# Altium PCB Audio-Streamer-Mainboard.PcbDoc (part 3 of 7)
Units mm, origin at the board's own origin, x right, y up, seen from the top; angles counter-clockwise.
Board outline 180 x 270 mm, 4 copper layers (Top Layer, VCC, GND, Bottom Layer), stack 1.62 mm thick; 653 components, 499 nets, 2423 pads, 1617 vias.
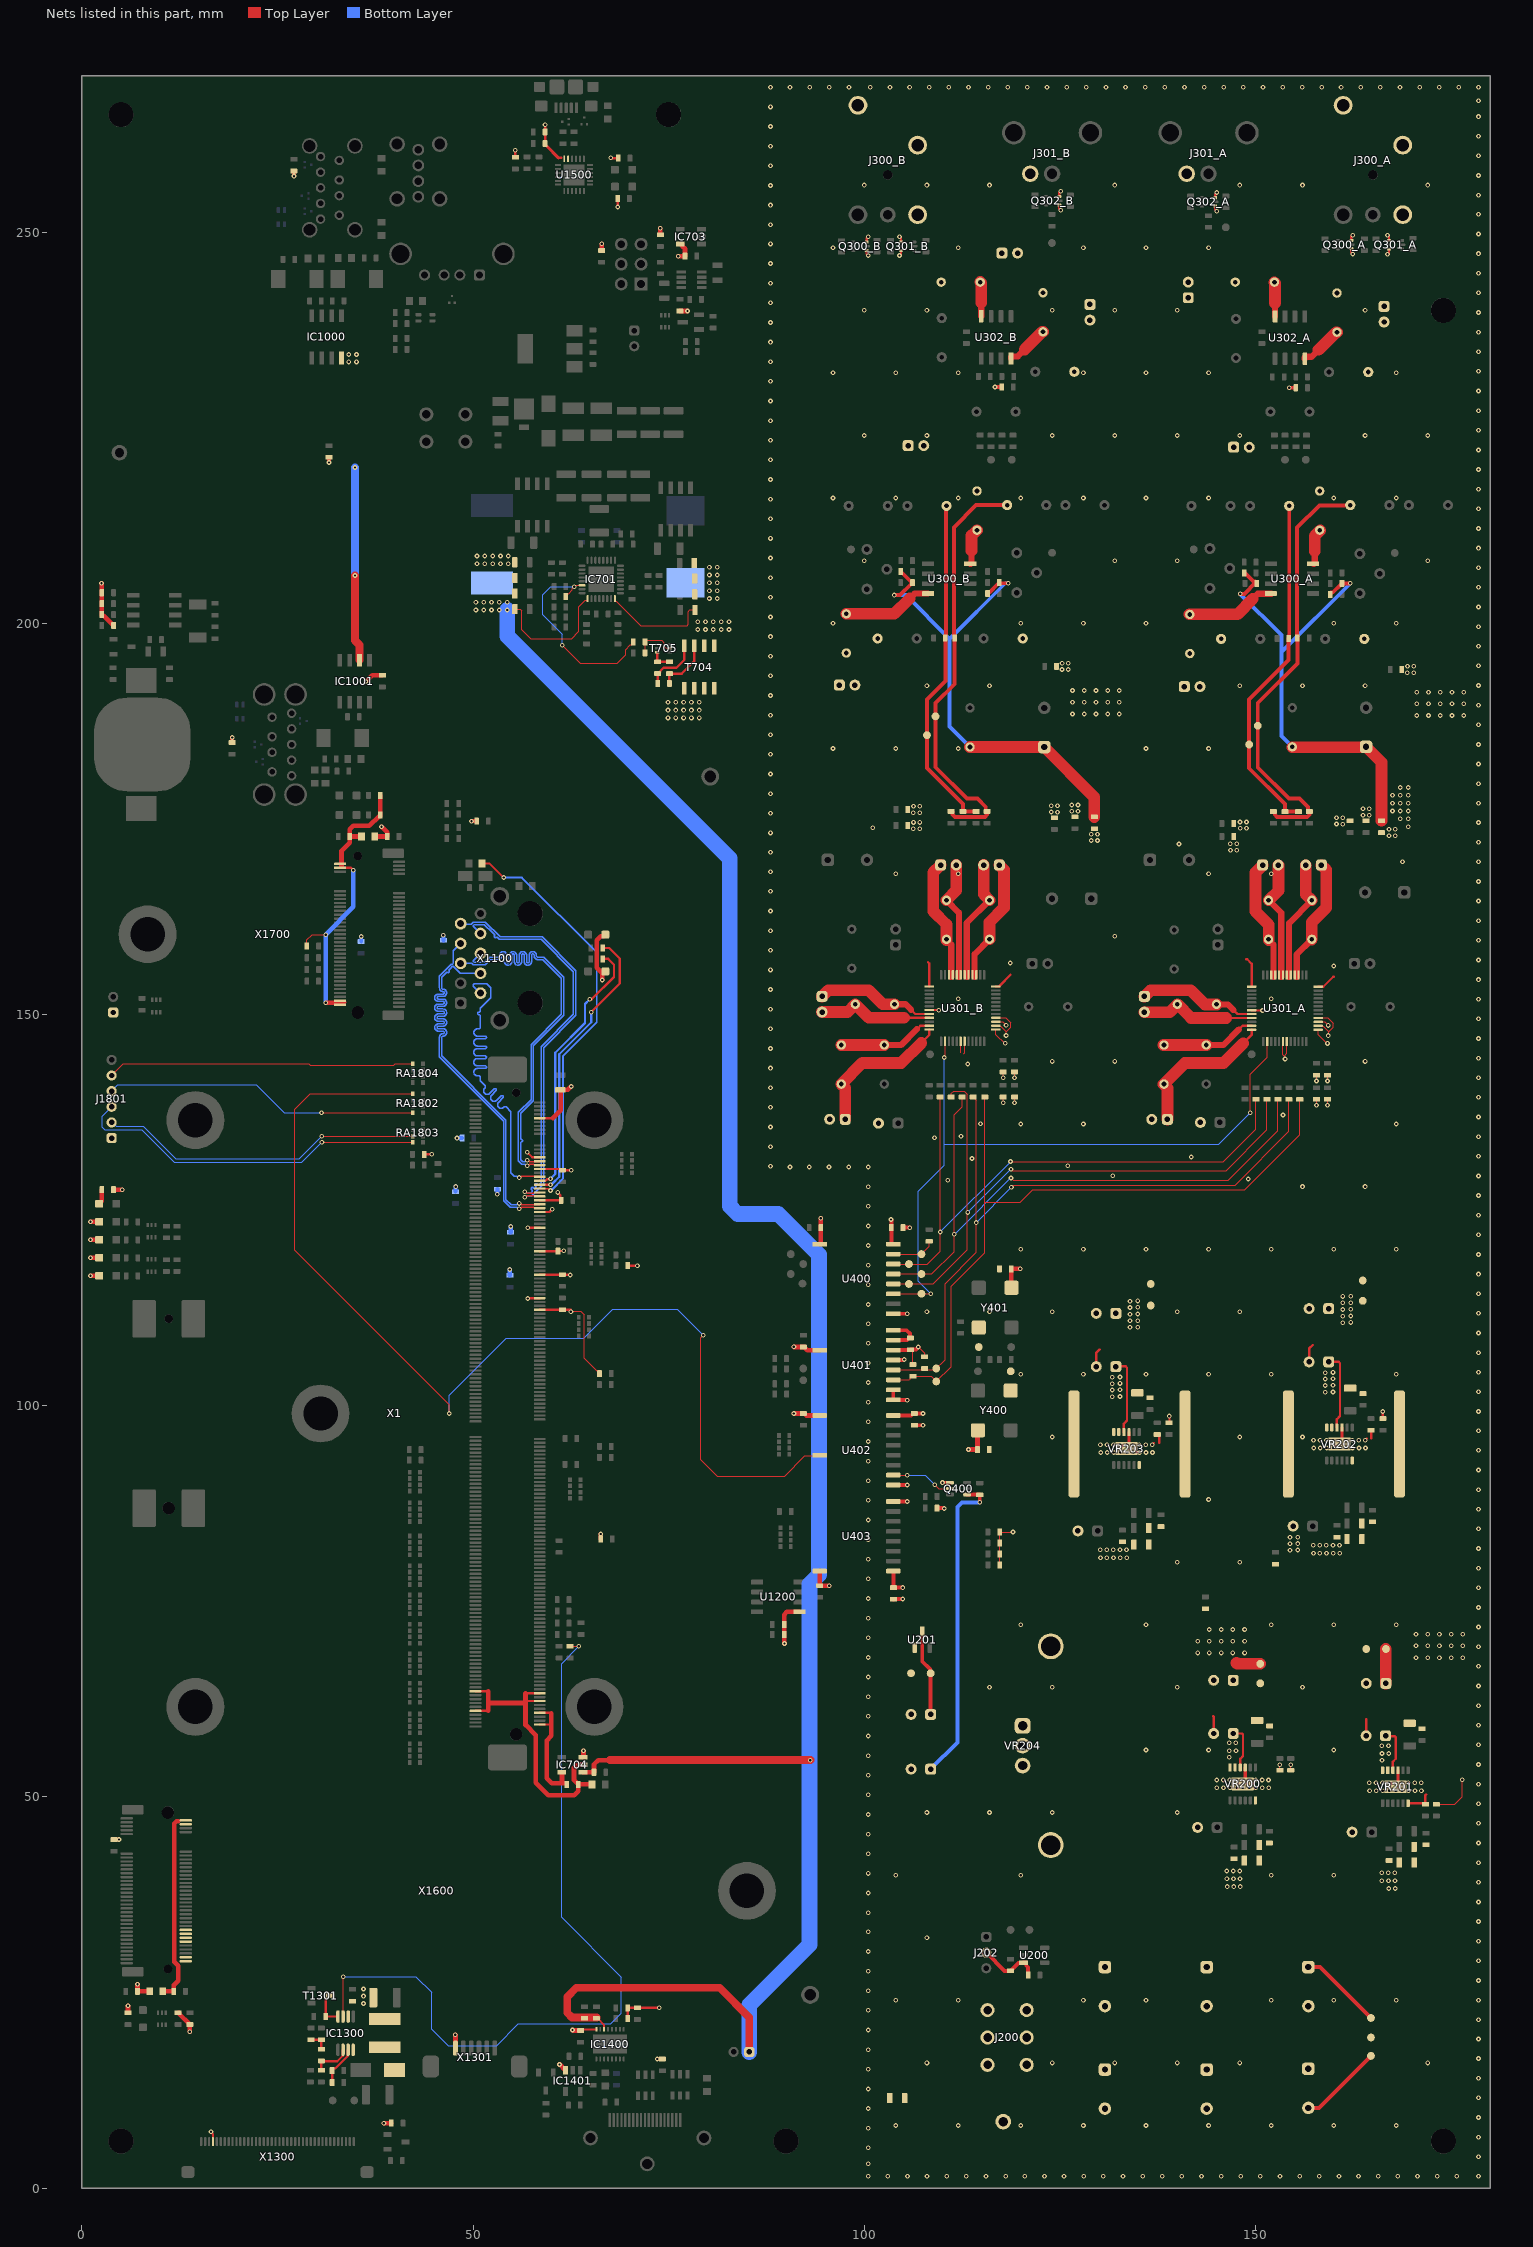
[diagram p5: the nets of this part, all layers, seen from the top]

## Via types
v1: diameter 0.6, hole 0.3, Top Layer to Bottom Layer, tented both sides, 1281 vias
v2: diameter 0.6, hole 0.3, Top Layer to Bottom Layer, 336 vias

## Nets (pads, with @x,y where several pads share a name; then routed paths per layer and width w, separated by ;. In a path a pad name is that pad's centre, name@x,y a point inside that pad or via, vN(x,y) a via of type N, cw(c..) or ccw(c..) an arc to the next point about the centre after c; other vN are vias at no path point)
3.3V: C604.1 C605.1 C606.1 C607.1 C608.1 C609.1 C707.2 C708.2 C709.2 C710.2 C727.1 C728.2 IC701.8 IC703.5 L700.2 R714.1 R715.1 R716.2 R720.1 R724.2 R1801.1 T704.1 T704.2 T704.3 X1.10 X1.30 X1.36 X1.52 X1.58 X1.66 X1.78 X1.90 X1.102 X1.108 | length 70.5
  Top Layer w0.15: v1@62.48,112.27 62.65,112.1 63.729,112.1 64.2,111.63 64.2,106.05 65.788,104.462 65.925,104.462 66.15,104.237 R1801.1@66.15,104.1 ; IC701.8@68.129,203.15 68.129,202.89 68.199,202.821 68.324,202.821 71.445,199.7 77.35,199.7 77.5,199.85 77.5,201.5 77.7,201.7 C710.2@78.36,201.7
  Top Layer w0.3: R724.2@43.75,132.121 v1(44.7,132.121) ; v1(56.9,132.4) 57.55,131.75 X1.30@58.5,131.75 ; v1(57,113.7) 57.05,113.75 X1.102@58.5,113.75 ; v1(57,122.75) X1.66@58.5,122.75 ; X1.108@58.5,112.25 61.33,112.25 61.35,112.27 v1@62.48,112.27 ; X1.90@58.5,116.75 C607.1@61.4,116.75 62.35,116.75 v1(62.4,116.7) ; X1.78@58.5,119.75 C606.1@60.85,119.75 60.875,119.775 61.575,119.775 v1(61.6,119.8) ; X1.58@58.5,124.75 59.75,124.75 v1(60.1,125.1) ; X1.52@58.5,126.25 C605.1@61.25,126.25 61.157,126.343 61.157,126.899 v1(60.8,127.256) ; X1.36@58.5,130.25 61.25,130.25 C604.1@61.4,130.1 v1(62.549,130.1) ; X1.10@58.5,136.75 60.2,136.75 ; C728.2@75.089,192.315 R720.1@75.089,193.565 76.665,193.565 78.265,195.165 T704.3@78.265,197.1
  Top Layer w0.6: 60.2,136.75 61.2,137.75 C609.1@61.2,140.35 ; C609.1@61.172,140.386 62.122,140.386 v1(62.536,140.8) ; R714.1@66.435,247.65 v1(66.435,248.5) ; v1(73.9,250.5) 73.935,250.465 R716.2@73.935,249.65 ; v1(76.2,246.9) 76.21,246.91 C727.1@77.085,246.91 77.085,247.86 76.735,248.21 76.735,248.46 IC703.5@76.485,248.46 ; R715.1@76.435,239.9 v1(77.4,239.9)
  other v1: 62.5,112 80.2,203.167 81.2,203.167 80.2,204.167 81.2,204.167 80.2,205.167 81.2,205.167 80.2,206.167 81.2,206.167 80.2,207.167 81.2,207.167
  other v2: 78.7,199.2 79.7,199.2 80.7,199.2 81.7,199.2 82.7,199.2 78.7,200.2 79.7,200.2 80.7,200.2 81.7,200.2 82.7,200.2
3.3V_LED: D600.A R600.2 | length 1.9
  Top Layer w0.6: D600.A@2.2,125.8 2.55,126.15 R600.2@2.55,127.6
3.3V_mSATA1: C1604.2 L1600.2 X1600.2 X1600.4 X1600.12 X1600.14 X1600.16 X1600.18 X1600.72 X1600.74 | length 24.1
  Top Layer w0.3: 11.8,29.4 11.9,29.5
  Top Layer w0.6: L1600.2@10.34,25.15 C1604.2@11.75,25.15 11.75,25.95 12.3,26.5 12.3,28.4 11.8,28.9 11.8,29.4 11.8,46.6 12.1,46.9 12.3,46.9
3.3V_PCIE1: C1703.2 L1700.2 R1700.1 R1701.1 R1702.2 X1700.2 X1700.4 X1700.72 X1700.74 | length 39.5
  Top Layer w0.15: R1702.2@28.75,158.75 28.75,159.531 29.419,160.2 v1(31.15,160.2)
  Top Layer w0.3: X1700.4@33,168.75 34.375,168.75 v1(34.7,168.425)
  Top Layer w0.6: v1(31.15,151.5) 33,151.5 ; 33.19,168.9 33.19,169.25 33.19,170.9 34.25,171.96 C1703.2@34.25,172.75 ; 33.45,151.5 33.5,151.55 ; L1700.2@35.74,172.75 C1703.2@34.25,172.75 ; R1701.1@38.135,178 R1700.1@38.135,175.5 38.135,175.35 37.985,175.35 36.735,174.1 34.7,174.1 34.25,173.65 C1703.2@34.25,172.75
  Bottom Layer w0.6: v1(31.15,151.5) v1(31.15,160.2) 34.7,163.75 v1(34.7,168.425)
3.3V_SW: C400.1 C402.1 C406.1 C408.1 C903.2 C904.2 C905.2 C906.2 C907.2 C908.2 C1100.2 C1101.2 C1200.1 C1201.1 C1301.2 C1302.1 C1403.2 C1408.2 C1409.2 C1500.2 C1501.2 C1601.2 C1602.2 C1603.2 C1700.2 C1701.2 C1702.2 D1100.A D1101.A D1800.A D1801.A D1802.A D1803.A IC704.3 IC1300.2 IC1400.8 IC1401.3 J1800.1 J1801.1 L1300.1 L1600.1 L1700.1 R600.1 R800.2 R803.2 R804.2 R805.2 R903.1 R1005.2 R1301.2 R1400.2 R1401.2 R1403.2 R1500.1 R1501.1 R1504.2 R1600.1 R1601.1 R1602.2 T704.5 T704.6 T704.7 T704.8 U400.1 U401.3 U402.1 U403.16 U1200.1 U1500.5 U1500.6 X1300.4 X1301.1 | length 83.3
  Top Layer w0.25: C1403.2@63.75,20.15 63.895,20.295 IC1400.8@65.75,20.295
  Top Layer w0.3: v1(16.5,7.2) 16.5,7.124 16.75,6.874 X1300.4@16.75,5.95 ; R1504.2@55.4,259.55 v1(55.4,260.45) ; v1(59.2,263.7) C1501.2@59.2,262.8 C1500.2@59.2,261.3 59.2,261.15 59.35,261 C1500.2@59.4,261 ; 60.9,259.5 61.25,259.5 ; v1(67.6,259.5) 67.65,259.45 R1501.1@68.55,259.45 ; R1500.1@68.479,254.3 68.479,253.221 v1(68.5,253.2) ; R1401.2@69.749,21.695 R1400.2@69.749,23.045 70.99,23.045 R1403.2@71,23.055 v1(73.8,23.055) ; R903.1@69.75,117.9 v1(71,117.9)
  Top Layer w0.4: C1500.2@59.4,261 60.9,259.5
  Top Layer w0.5: C1701.2@4.1,44.55 v1(4.75,44.55) ; C906.2@19.2,184.75 v1(19.2,185.4) ; v1(27.1,257.15) C907.2@27.1,257.8 ; v1(31.574,220.55) C908.2@31.574,221.2 ; v1(49.8,174.7) C905.2@50.45,174.7 ; C1409.2@66.3,82.95 v1(66.3,83.6) ; v1(73.55,16.5) C1408.2@74.2,16.5
  Top Layer w0.6: v1(1.1,116.6) D1800.A@2.2,116.6 ; v1(1.1,118.9) D1801.A@2.2,118.9 ; v1(1.1,121.2) D1802.A@2.2,121.2 ; v1(1.1,123.5) D1803.A@2.2,123.5 ; v1(2.515,205.1) 2.55,205.065 R803.2@2.55,203.9 R804.2@2.55,202.5 R805.2@2.55,201.1 2.55,200.95 2.8,200.95 3.9,199.85 4.05,199.85 R800.2@4.05,199.7 ; R600.1@4.05,127.6 v1(5.15,127.6) ; R1600.1@5.895,22.4 v1(5.895,23.308) ; v1(7.108,26.058) C1603.2@7.108,25.15 L1600.1@8.66,25.15 ; R1601.1@12.3,22.4 12.45,22.4 12.45,22.25 13.65,21.05 13.65,20.9 R1602.2@13.8,20.9 v1(13.8,19.992) ; v1(36.3,192.55) 37.1,193.35 R1005.2@38.4,193.35 ; L1700.1@37.42,172.75 C1702.2@39.025,172.75 39.025,173.275 v1(38.3,174) ; v1(38.6,8.3) R1301.2@39.55,8.3 ; v1(47.714,19.6) 47.75,19.564 X1301.1@47.75,17.9 ; v1(61.05,15.8) IC1401.3@61.8,15.051 ; v1(62.7,20.2) 62.75,20.15 C1403.2@63.75,20.15 ; IC704.3@64.05,55.05 64.099,55.05 64.099,55.899 v1(64.1,55.9) ; v1(66.5,154.4) 66.5,155.257 65.8,155.957 65.8,159.5 66.3,160 66.7,160 D1101.A@66.9,160.2 ; v1(89.8,69.6) 89.75,69.65 C1200.1@89.75,70.75 C1201.1@89.75,72.05 89.75,73.294 90.101,73.645 U1200.1@91.7,73.645 ; v1(91,99) C406.1@92.2,99 92.35,99 92.6,98.75 U402.1@94.3,98.75 ; v1@91.016,107.5 C402.1@92.2,107.5 92.35,107.5 92.35,107.451 92.701,107.1 U401.3@94.3,107.1 ; U403.16@94.3,78.86 C408.1@94.3,77 95.484,77 v1(95.5,76.984) ; U400.1@94.3,120.64 94.45,120.64 C400.1@94.45,122.75 v1(94.45,123.95)
  Bottom Layer w0.5: C1602.2@35.7,159.32 v1(35.7,159.97) ; C1101.2@46.2,159.475 v1(46.2,160.125) ; C1601.2@47.765,127.35 v1(47.765,128) ; v1(47.938,134.2) C1700.2@48.588,134.2 ; v1(53.1,127.02) C1100.2@53.1,127.67
  Bottom Layer w0.6: C903.2@54.7,116.65 v1@54.7,117.4 ; C904.2@54.771,122.15 54.8,122.15 v1(54.8,122.9)
  other v1: 36,23.6 36,24.54 36,25.44 91,107.516 54.7,117.4
  other v2: 74.9,187.9 75.9,187.9 76.9,187.9 77.9,187.9 78.9,187.9 74.9,188.9 75.9,188.9 76.9,188.9 77.9,188.9 78.9,188.9 74.9,189.9 75.9,189.9 76.9,189.9 77.9,189.9 78.9,189.9
3.3V_SW_EN: R722.1 R723.2 T705.2 | length 5.3
  Top Layer w0.15: R723.2@71.971,196.21 R722.1@71.971,197.61 72.161,197.8 74.1,197.8 74.46,197.44 74.46,197.062 74.707,196.815 T705.2@75.129,196.815
3.3V_SW_EN#: C728.1 R721.1 T704.4 | length 7.3
  Top Layer w0.3: C728.1@73.589,192.315 R721.1@73.589,193.565 73.726,193.565 73.951,193.79 73.951,193.927 74.324,194.3 76,194.3 76.995,195.295 T704.4@76.995,197.1
3.3V_SW_EN_R#: R720.2 R721.2 T705.6 | length 2.8
  Top Layer w0.3: T705.6@73.549,196.315 73.549,195.105 R721.2@73.589,195.065 R720.2@75.089,195.065
5V_PGOOD: IC701.30 R713.1 R722.2 | length 26.4
  Top Layer w0.15: v1(61.4,197.2) 63.7,194.9 68.4,194.9 69.5,196 69.5,196.639 70.109,197.248 70.246,197.248 70.471,197.473 R722.2@70.471,197.61 ; R713.1@61.85,203.4 61.85,203.537 62.075,203.762 62.212,203.762 62.7,204.25 62.7,204.46 v1(62.915,204.675) 63.09,204.85 IC701.30@63.929,204.85
  Bottom Layer w0.15: v1(61.4,197.2) 61.4,198.6 58.9,201.1 58.9,203.66 59.915,204.675 v1(62.915,204.675)
5V_SW: C722.2 C723.2 C724.2 C725.2 C730.2 C1400.2 C1401.1 IC701.1 IC704.1 IC1000.4 IC1001.2 IC1400.6 J701.1 L701.2 | length 318.4
  Top Layer w0.15: C722.2@55.329,201.8 56,201.8 56.2,201.6 56.2,199.2 57.35,198.05 62.6,198.05 63.5,198.95 63.5,202.1 64.342,202.942 64.56,202.942 64.629,203.012 IC701.1@64.629,203.15
  Top Layer w0.25: C1401.1@65.75,21.69 C1401.1@65.9,21.69 ; C1401.1@66.075,21.865 C1401.1@65.9,21.69 ; IC1400.6@66.75,20.295 66.75,20.84 C1401.1@65.9,21.69
  Top Layer w0.6: IC704.1@64.05,53.15 C730.2@65.45,53.15 65.45,54.147 66,54.697 67.497,54.697 67.5,54.7 ; C1400.2@64.25,21.69 C1401.1@65.75,21.69
  Top Layer w1: v1(34.9,206.1) 34.9,197.8 35.485,197.215 IC1001.2@35.485,195.3 ; C1401.1@65.8,21.8 62.65,21.8 62.025,22.425 62.025,24.425 63.2,25.6 81.508,25.6 85.3,21.808 J701.1@85.3,17.4 ; 67.5,54.7 v1(93.1,54.7)
  Bottom Layer w1: v1(34.9,206.1) v1(34.9,219.9)
  Bottom Layer w2: v2(54.358,201.7) 54.358,198.367 82.8,169.925 82.8,125.505 83.805,124.5 89,124.5 94.2,119.3 94.2,78.397 93,77.197 93,31.1 85.3,23.4 J701.1@85.3,17.4
  other v1: 50.5,207.6 51.5,207.6 52.5,207.6 53.5,207.6 54.5,207.6 50.5,208.6 51.5,208.6 52.5,208.6 53.5,208.6 54.5,208.6 34.1,233.4 35.1,233.4 34.1,234.34 35.1,234.34
  other v2: 50.358,201.7 51.358,201.7 52.358,201.7 53.358,201.7 50.358,202.7 51.358,202.7 52.358,202.7 53.358,202.7 54.358,202.7
+15V: C201.2 C207.P C208.P C209.P C222.2 C229.2 C234.P FB200.1 FB202.1 FB203.1 J200.1 Q400.4 R406.2 TP202.1 VR204.3 | length 51.3
  Top Layer w0.5: Q400.4@113.14,88.65 114.7,88.65 R406.2@114.75,88.6 v1(114.75,87.65) ; C209.P@156.75,28.25 158.25,28.25 TP202.1@164.75,21.75
  Bottom Layer w0.5: C234.P@108.475,53.545 111.9,56.97 111.9,87.05 112.5,87.65 v1(114.75,87.65)
  other v2: 146.393,38.537 147.218,38.537 148.043,38.537 146.343,39.537 147.193,39.537 148.018,39.537 146.318,40.537 147.168,40.537 147.993,40.537 130.175,80.57 131,80.57 131.85,80.57 132.7,80.57 133.525,80.57 157.4,81.15 158.225,81.15 159.075,81.15 159.925,81.15 160.75,81.15 130.15,81.57 130.975,81.57 131.825,81.57 132.675,81.57 133.5,81.57 157.375,82.15 158.2,82.15 159.05,82.15 159.9,82.15 160.725,82.15
-15V: C210.M C211.M C212.M C214.2 FB201.1 J200.3 TP204.1 | length 10.8
  Top Layer w0.5: C212.M@156.75,10.25 158.1,10.25 TP204.1@164.75,16.9
  other v2: 167.025,38.3 167.85,38.3 166.15,39.3 167,39.3 167.825,39.3 166.125,40.3 166.975,40.3 167.8,40.3
A+3.3V: C232.P C233.P C310_A.P C310_B.P C311_A.2 C311_B.2 R219.2 TP211.1 U301_A.44 U301_B.44 VR203.10 VR203.11 VR203.12 | length 41.4
  Top Layer w0.3: 105.975,150.6 106.507,150.068 U301_B.44@108.319,150.068 ; C232.P@132.125,105.02 133.399,105.02 133.575,104.844 133.575,98.09 133.175,97.69 VR203.10@133.175,96.625 ; R219.2@139,97.77 v1@139,98.645 ; 147.156,150.582 147.688,150.05 U301_A.44@149.5,150.05
  Top Layer w0.8: C311_B.2@103.85,151.3 105.275,151.3 105.975,150.6 ; C311_A.2@145.031,151.282 146.456,151.282 147.156,150.582
  Top Layer w1.5: C310_B.P@94.6,152.3 95.4,153.1 100.55,153.1 102.35,151.3 C311_B.2@103.85,151.3 ; C310_A.P@135.781,152.282 136.581,153.082 141.731,153.082 143.531,151.282 C311_A.2@145.031,151.282
  other v1: 138.975,98.67
  other v2: 131.675,101.145 132.675,101.17 131.675,101.995 132.675,102.02 131.675,102.82 132.675,102.845 131.675,103.645 132.675,103.67 133.95,110.015 134.95,110.04 133.95,110.84 134.95,110.865 133.95,111.69 134.95,111.715 133.95,112.54 134.95,112.565 133.95,113.365 134.95,113.39
A+5V: C225.P C226.P C300_A.P C300_B.P C301_A.2 C301_B.2 C302_A.P C302_B.P C303_A.2 C303_B.2 R213.2 R300_A.1 R300_B.1 R324_A.2 R324_B.2 R337_A.1 R337_B.1 TP209.1 U301_A.27 U301_A.28 U301_A.33 U301_A.34 U301_B.27 U301_B.28 U301_B.33 U301_B.34 VR202.10 VR202.11 VR202.12 | length 74.3
  Top Layer w0.3: C225.P@159.35,105.6 160.624,105.6 160.8,105.424 160.8,98.67 160.4,98.27 VR202.10@160.4,97.206 ; R213.2@166.275,98.35 v1@166.275,99.225
  Top Layer w0.8: C303_B.2@110.5,159.531 111.1,158.931 111.1,154.8 ; 114.09,154.8 114.09,157.69 C301_B.2@116,159.6 ; C303_A.2@151.681,159.513 152.281,158.913 152.281,155.05 152.281,154.782 ; 155.271,154.782 155.271,157.672 C301_A.2@157.181,159.582
  Top Layer w1.5: C302_B.P@109.75,169.101 108.8,168.151 108.8,163.2 110.5,161.5 C303_B.2@110.5,159.6 C303_B.2@110.5,159.531 ; C301_B.2@116,159.6 116,161.8 117.84,163.64 117.84,168.51 C300_B.P@117.25,169.101 ; C302_A.P@150.931,169.082 149.981,168.132 149.981,163.182 151.681,161.482 C303_A.2@151.681,159.513 ; C301_A.2@157.181,159.582 157.181,161.782 159.021,163.622 159.021,168.492 C300_A.P@158.431,169.082
  other v1: 166.25,99.25 128.994,172.225 129.794,172.225 167.05,172.856 167.85,172.856 129.794,173.025 128.994,173.043 167.85,173.656 167.05,173.675 148.036,173.8 148.836,173.8 148.018,174.6 148.836,174.6 163.731,175.475 164.531,175.457 106.257,175.794 107.075,175.794 127.306,175.957 126.506,175.975 163.731,176.275 164.531,176.275 106.275,176.594 107.075,176.594 126.506,176.775 127.306,176.775
  other v2: 158.9,101.725 159.9,101.75 158.9,102.575 159.9,102.6 158.9,103.4 159.9,103.425 158.9,104.225 159.9,104.25 161.15,110.615 162.15,110.64 161.15,111.44 162.15,111.465 161.15,112.29 162.15,112.315 161.15,113.14 162.15,113.165 161.15,113.965 162.15,113.99
A+12V: C204.P C205.P C304_A.P C304_B.P C305_A.2 C305_B.2 C314_A.P C314_B.P C315_A.2 C315_B.2 R200.2 R212.1 R218.1 TP200.1 U300_A.8 U300_B.8 U302_A.8 U302_B.8 VR200.10 VR200.11 VR200.12 | length 27.6
  Top Layer w0.15: R200.2@154.5,53.405 v1(154.5,54.1)
  Top Layer w0.3: C204.P@147.15,58.1 148.261,58.1 148.4,57.961 148.4,55.22 148.036,54.856 VR200.10@148.036,53.759
  Top Layer w0.8: U300_B.8@113.54,207.605 113.6,207.605 113.7,207.705 113.7,209.25 ; U302_B.8@114.935,239.24 114.935,240.975 ; U302_A.8@152.495,239.2 152.495,240.935 ; U300_A.8@157.4,207.565 157.46,207.565 157.56,207.665 157.56,209.21
  Top Layer w1.5: 113.7,209.25 113.7,211.2 C305_B.2@114.4,211.9 ; C315_B.2@114.819,243.6 114.935,243.484 114.935,240.975 ; 147.561,67.1 147.661,67 TP200.1@150.6,67 ; C315_A.2@152.379,243.56 152.495,243.444 152.495,240.935 ; 157.56,209.21 157.56,211.16 C305_A.2@158.26,211.86
  other v1: 146.65,55.05 146.65,55.9 147.5,55.9 146.625,56.9 147.475,56.9
  other v2: 142.6,68.4 144.1,68.4 145.6,68.4 147.1,68.4 148.6,68.4 142.6,69.9 144.1,69.9 145.6,69.9 147.1,69.9 148.6,69.9 144.1,71.4 145.6,71.4 147.1,71.4 148.6,71.4 169.5,174 168.5,175 169.5,175 167.5,176 168.5,176 169.5,176 167.5,177 168.5,177 169.5,177 167.5,178 168.5,178 169.5,178 168.5,179 169.525,179
A-12V: C217.P C218.P C306_A.1 C306_B.1 C307_A.M C307_B.M C316_A.1 C316_B.1 C317_A.M C317_B.M R207.2 TP205.1 U300_A.4 U300_B.4 U302_A.4 U302_B.4 VR201.10 VR201.11 VR201.12 | length 50.5
  Top Layer w0.15: C217.P@166.409,58.032 C217.P@166.625,57.816 ; R207.2@173.1,49.05 175.45,49.05 176.4,50 v1(176.4,52.2)
  Top Layer w0.3: C217.P@166.664,57.747 167.775,57.747 167.914,57.608 167.914,54.867 167.55,54.503 VR201.10@167.55,53.405
  Top Layer w0.8: 105.8,203.16 106.435,203.795 U300_B.4@108.14,203.795 ; U302_B.4@118.745,233.84 118.745,234.007 118.845,234.107 119.607,234.107 120.5,235 ; 149.66,203.12 150.295,203.755 U300_A.4@152,203.755 ; U302_A.4@156.305,233.8 156.305,233.967 156.405,234.067 157.167,234.067 158.06,234.96
  Top Layer w1.5: C306_B.1@97.7,201.2 103.84,201.2 105.8,203.16 ; 120.5,235 122.74,237.24 C316_B.1@122.84,237.24 ; C306_A.1@141.56,201.16 147.7,201.16 149.66,203.12 ; 158.06,234.96 160.3,237.2 C316_A.1@160.4,237.2 ; C218.P@166.65,64.5 TP205.1@166.65,68.9
  other v1: 166.164,54.697 166.164,55.547 167.014,55.547 166.139,56.547 166.989,56.547
  other v2: 170.5,67.8 172,67.8 173.5,67.8 175,67.8 176.5,67.8 170.5,69.3 172,69.3 173.5,69.3 175,69.3 176.5,69.3 170.5,70.8 172,70.8 173.5,70.8 175,70.8 176.5,70.8 170.6,188.2 172.1,188.2 173.6,188.2 175.1,188.2 176.6,188.2 126.6,188.4 128.1,188.4 129.6,188.4 131.1,188.4 132.6,188.4 170.6,189.7 172.1,189.7 173.6,189.7 175.1,189.7 176.6,189.7 126.6,189.9 128.1,189.9 129.6,189.9 131.1,189.9 132.6,189.9 170.6,191.2 172.1,191.2 173.6,191.2 175.1,191.2 176.6,191.2 126.6,191.4 128.1,191.4 129.6,191.4 131.1,191.4 132.6,191.4
A\_\R\S\T\: TP408.1 U301_A.2 U301_B.2 U400.11 | length 89.9
  Top Layer w0.15: U400.11@103.7,114.29 107.29,114.29 TP408.1@107.3,114.3 v1(108.475,114.3) ; v1(110.2,144.5) 110.2,144.6 110.319,144.719 U301_B.2@110.319,146.568 ; v1(149.336,137.45) 149.336,142.336 151.5,144.5 U301_A.2@151.5,146.55
  Bottom Layer w0.15: v1(108.475,114.3) 106.9,115.875 106.9,127.4 110.2,130.7 110.2,133.4 ; v1(110.2,144.5) 110.2,133.4 ; v1(149.336,137.45) 145.286,133.4 110.2,133.4
A_BCLK: R305_A.2 R305_B.2 TP403.1 U400.14 | length 76
  Top Layer w0.15: U400.14@103.7,118.1 TP403.1@105.7,118.1 108.05,118.1 109.7,119.75 v1(109.7,122.2) R305_B.2@109.7,139.45 ; v1(118.69,131.2) 145.9,131.2 150.05,135.35 R305_A.2@150.05,139.15
  Bottom Layer w0.15: v1(109.7,122.2) 109.7,122.21 v1(118.69,131.2)
A_LRCLK: R306_A.2 R306_B.2 TP405.1 U400.13 | length 80.2
  Top Layer w0.15: U400.13@103.7,116.83 TP405.1@107.3,116.83 108.63,116.83 111.5,119.7 v1(111.5,121.9) 111.5,137.2 112.5,138.2 R306_B.2@112.5,139.45 ; v1(118.745,129.1) 119.045,128.8 146.5,128.8 152.85,135.15 R306_A.2@152.85,139.15
  Bottom Layer w0.15: v1(111.5,121.9) 111.545,121.9 v1(118.745,129.1)
A_MCLK: R400.2 TP401.1 U400.15 | length 5.6
  Top Layer w0.15: U400.15@103.7,119.37 TP401.1@107.3,119.37 108.295,120.365 R400.2@108.295,121
A_MUTE: Q400.2 U402.10 | length 8
  Top Layer w0.15: U402.10@103.7,91.13 103.73,91.1 v1(105.5,91.1) ; v1(109,89.9) 109.5,89.4 Q400.2@110.94,89.4
  Bottom Layer w0.15: v1(105.5,91.1) 107.8,91.1 v1(109,89.9)
A_SCL: R313_A.2 R313_B.2 R402.1 TP410.1 U401.12 | length 91.4
  Top Layer w0.15: U401.12@103.7,104.56 108.979,104.56 110.319,105.9 110.319,115.6 114.3,119.581 v1(114.3,123.4) 114.3,139.05 R313_B.2@113.9,139.45 ; v1(118.8,127.9) 118.813,127.9 119.113,128.2 147.4,128.2 154.25,135.05 R313_A.2@154.25,139.15
  Bottom Layer w0.15: v1(114.3,123.4) v1(118.8,127.9)
A_SDA: R315_A.2 R315_B.2 R401.1 TP412.1 U401.11 | length 93.3
  Top Layer w0.15: U401.11@103.7,103.29 105.74,103.29 105.838,103.388 105.838,103.525 106.063,103.75 R401.1@106.2,103.75 108.55,103.75 TP412.1@109.2,103.1 111.09,104.99 111.09,115.25 115.4,119.56 115.4,126 ; R315_B.2@115.4,139.45 115.4,126 ; R315_A.2@155.65,139.15 155.65,134.619 148.631,127.6 121.5,127.6 119.9,126 115.4,126
A_SDATA: R307_A.2 R307_B.2 TP407.1 U400.12 | length 80.6
  Top Layer w0.15: U400.12@103.7,115.56 TP407.1@105.7,115.56 108.81,115.56 113.175,119.925 113.175,139.825 112.8,140.2 111.4,140.2 111.1,139.9 R307_B.2@111.1,139.45 ; v1(118.745,130.2) 118.895,130.05 146.25,130.05 151.45,135.25 R307_A.2@151.45,139.15
  Bottom Layer w0.15: v1(113.2,124.7) 113.245,124.7 v1(118.745,130.2)
AGND: C200.M C201.1 C202.1 C204.M C205.M C206.2 C207.M C208.M C209.M C210.P C211.P C212.P C213.M C214.1 C215.1 C217.M C218.M C219.2 C220.1 C221.M C222.1 C223.1 C225.M C226.M C227.2 C228.M C229.1 C230.1 C232.M C233.M C234.M C235.M C236.2 C300_A.M C300_B.M C301_A.1 C301_B.1 C302_A.M C302_B.M C303_A.1 C303_B.1 C304_A.M C304_B.M C305_A.1 C305_B.1 C306_A.2 C306_B.2 C307_A.P C307_B.P C308_A.1 C308_B.1 C309_A.M C309_B.M C310_A.M C310_B.M C311_A.1 C311_B.1 C314_A.M C314_B.M C315_A.1 C315_B.1 C316_A.2 C316_B.2 C317_A.P C317_B.P C318_A.M C318_B.M C319_A.1 C319_B.1 C321_A.1 C321_B.1 C330_A.1 C330_B.1 C333_A.1 C333_B.1 C401.2 C403.2 C404.2 C405.2 C407.2 C409.2 C410.2 J200.2 J201.1 J202.2 J300_A.1 J300_B.1 J301_A.2 J301_B.2 MP200.0 MP201.0 MP202.0 Q300_A.1 Q300_A.3 Q300_B.1 Q300_B.3 Q301_A.4 Q301_A.6 Q301_B.4 Q301_B.6 Q302_A.1 Q302_A.3 Q302_B.1 Q302_B.3 Q400.1 R201.2 R202.1 R203.1 R205.1 R206.1 R208.2 R209.1 R211.1 R214.2 R215.1 R216.1 R220.2 R221.1 R222.1 R301_A.2 R301_B.2 R316_A.2 R316_B.2 R320_A.2 R320_B.2 R330_A.2 R330_B.2 R333_A.1 R333_B.1 R335_A.1 R335_B.1 TP201.1 TP203.1 TP206.1 TP210.1 TP213.1 TP214.1 TP414.1 TP416.1 U200.3 U201.1 U301_A.6 U301_A.7 U301_A.13 U301_A.15 U301_A.24 U301_A.29 U301_A.30 U301_A.31 U301_A.32 U301_A.37 U301_A.43 U301_A.45 U301_A.47 U301_B.6 U301_B.7 U301_B.13 U301_B.15 U301_B.24 U301_B.29 U301_B.30 U301_B.31 U301_B.32 U301_B.37 U301_B.43 U301_B.45 U301_B.47 U400.9 U401.9 U401.10 U401.13 U401.15 U401.16 U402.9 U403.8 VR200.6 VR200.9 VR200.13 VR201.6 VR201.9 VR201.13 VR202.6 VR202.9 VR202.13 VR203.6 VR203.9 VR203.13 VR204.1 Y400.2 Y401.2 | length 212.7
  Top Layer w0.15: 112.319,145.135 U301_B.6@112.319,146.568 ; 112.712,145 112.819,145.107 U301_B.7@112.819,146.568 ; U301_B.13@116.819,148.068 116.819,147.418 117.919,146.318 v1(118.019,146.318) ; U301_B.15@116.819,149.068 117.669,149.068 v1(118.119,148.618) ; v1(119.2,138.7) R316_B.2@119.2,139.45 ; v1(119.2,141.9) R320_B.2@119.2,142.65 ; R202.1@153.1,53.405 v1(153.1,54.1) ; U301_A.6@153.5,146.55 153.5,144.84 153.65,144.69 154,145.04 U301_A.7@154,146.55 ; U301_A.13@158,148.05 158,147.4 159.1,146.3 v1(159.2,146.3) ; U301_A.15@158.002,149.052 U301_A.15@158,149.05 158.85,149.05 v1(159.3,148.6) ; v1(159.2,138.4) R316_A.2@159.2,139.15 ; v1(159.2,141.5) R320_A.2@159.2,142.25